# Allegro board reServer J2032_V1.brd (continued)
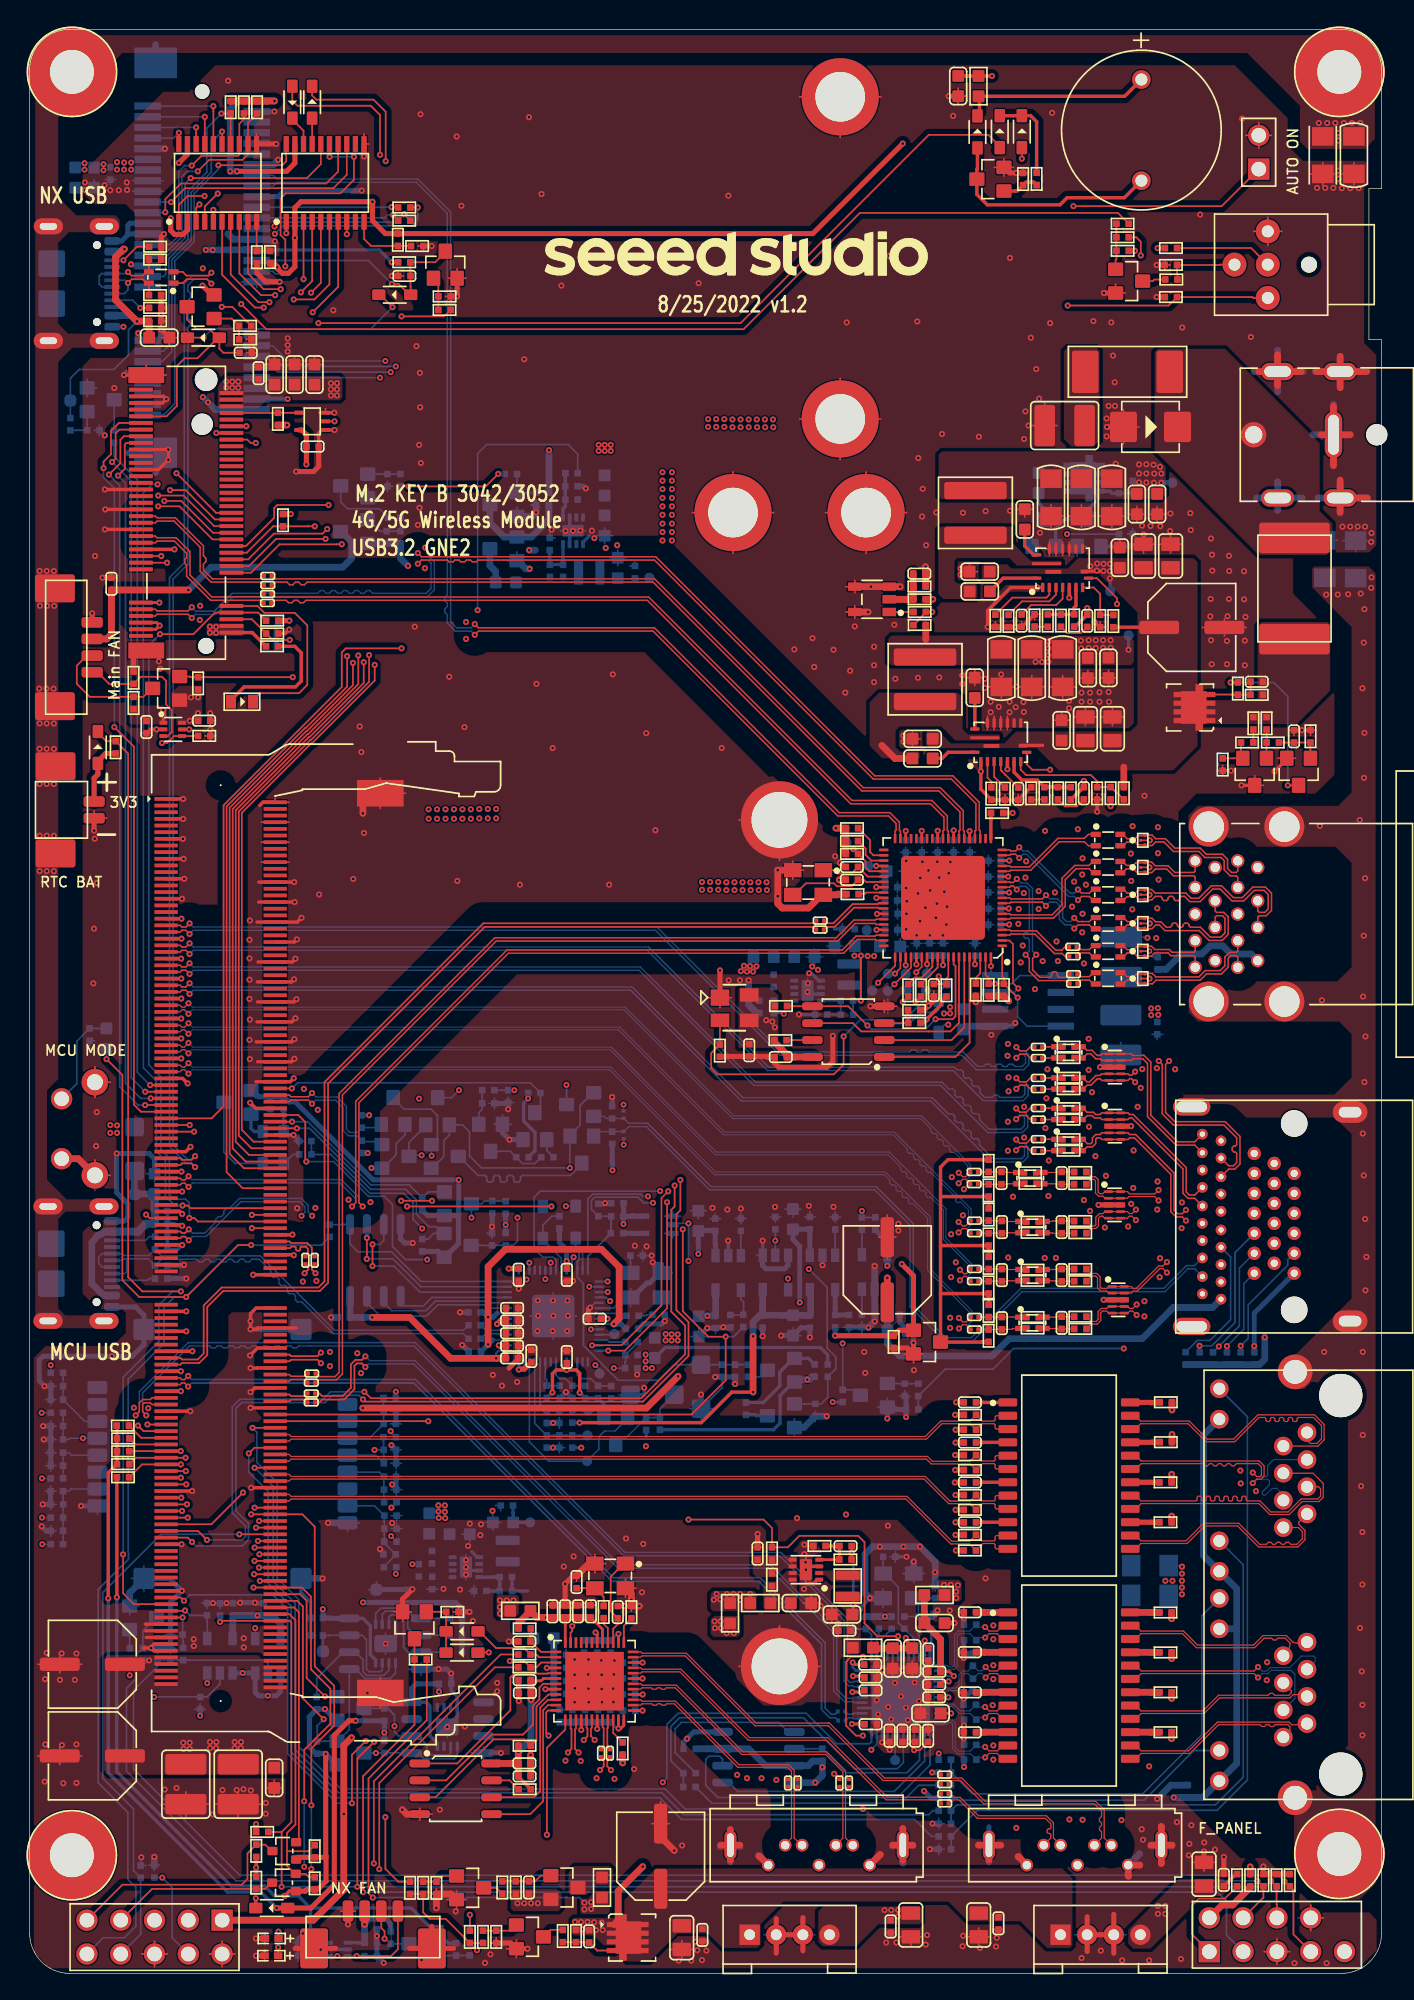
[diagram p0: board, top side]
## Routing (per net, layer and track width the routed paths; a pad name or vN(x,y) marks a point on that pad's centre or on a via; arc(x,y) is an arc through that point) (continued)
TYPEC_USB1_5V: length 22.7
  TOP w0.508: C259.1 8.97,124.13 D50.2 8.09,124.14 v1(8.06,124.11) 6.45,125.72 6.45,128.95 7.04,129.55 v1(7.12,129.55)
  BOTTOM w0.127: R238.2 TP24.1 3.06,119.83 3.73,120.5 6.33,120.5 7.43,121.6 7.43,123.48 v1(8.06,124.11) ; 6.04,124.56 J18.B9
  BOTTOM w0.508: v1(7.12,129.55) 6.93,129.36 J18.B4 ; 6.19,124.57 J18.B9 7.62,124.56 v1(8.06,124.11)
TYPEC_USB2_5V: length 15.8
  BOTTOM w0.508: J17.B9 5.61,50.92 5.51,51.02 5.39,51.1 4.67,51.82 4.67,54.91 5.12,55.46 5.25,55.49 5.39,55.54 5.51,55.63 5.61,55.72 J17.B4 ; C258.1 7.88,58.55 TP23.1 7.86,58.55 7.86,60.26 D4.1
  BOTTOM w0.61: J17.B4 8.14,55.72 8.74,56.32 D49.2 9.42,57.27 R239.1 9.4,58.53 C258.1
UART0_RXD: length 57.8
  TOP w0.127: J5.101 v1(12.35,63.24) ; v1(16.28,116.24) 15.16,116.24 J15.64
  LYR3 w0.127: v1(16.28,116.24) 15.2,115.16 15.2,93.15 12.61,90.56 12.61,63.49 v1(12.35,63.24)
UART0_TXD: length 56.4
  TOP w0.127: J15.62 v1(14.02,115.74) ; J5.99 v1(12.02,63.74)
  LYR3 w0.127: v1(12.02,63.74) 12.38,64.09 12.38,90.89 14.82,93.33 14.82,114.94 v1(14.02,115.74)
UART1_CTS: length 104.8
  TOP w0.127: v1(18.86,126.53) 17.58,126.53 16.41,127.71 U26.9 ; J5.209 v1(11.88,34.24)
  LYR3 w0.127: v1(11.88,34.24) 13.87,34.24 14.21,34.58 14.21,84.84 17.79,88.42 17.79,113.11 18.86,114.19 v1(18.86,126.53)
UART1_RTS: length 104
  TOP w0.127: v1(18.44,126.09) 17.39,126.09 15.76,127.72 U26.8 ; J5.207 v1(11.45,34.74)
  LYR3 w0.127: v1(18.44,126.09) 18.44,114.33 17.43,113.32 17.43,88.58 13.98,85.12 13.98,35.08 13.63,34.74 v1(11.45,34.74)
UART1_RXD: length 103
  TOP w0.127: v1(18.02,125.56) 17.18,125.56 15.11,127.63 U26.7 ; J5.205 v1(11.82,35.24)
  LYR3 w0.127: v1(18.02,125.56) 18.02,114.56 17.08,113.62 17.08,88.75 13.75,85.43 13.75,35.8 13.19,35.24 v1(11.82,35.24)
UART1_TXD: length 102.3
  TOP w0.127: U26.6 14.46,127.62 16.93,125.15 v1(17.59,125.15) ; J5.203 v1(11.4,35.74)
  LYR3 w0.127: v1(17.59,125.15) 17.59,114.83 16.7,113.94 16.7,88.81 13.52,85.63 13.52,36.15 13.11,35.74 v1(11.4,35.74)
UART2_RXD: length 25.1
  TOP w0.127: J5.238 19.52,26.99 19.97,26.53 19.97,11.18 19.34,10.55 19.34,9.2 ; 19.34,9.2 19.36,9.18 20.96,9.18 R254.2 ; 19.34,9.2 19.34,8.08 19.94,7.48 Q36.2 20.73,7.48 20.98,7.23 R255.2
UART2_TXD: length 19.3
  TOP w0.127: Q37.2 20.23,10.06 20.23,27.13 19.87,27.49 J5.236
USB0_AP_N: length 75.5
  TOP w0.127: v1(13.66,126.95) 13.32,127.29 11.8,127.29 11.5,126.99 L22.1 ; v1(12.43,61.4) 12.16,61.12 11.44,61.12 11.33,61.24 J5.109
  BOTTOM w0.127: v1(13.66,126.95) 13.32,127.29 12.35,127.29 11.88,126.82 11.88,126.4 12.1,126.19 12.1,125.89 11.88,125.68 11.88,125.39 12.1,125.17 12.1,124.88 11.88,124.66 11.88,124.37 12.1,124.15 12.1,123.86 11.88,123.65 11.88,123.35 12.1,123.14 12.1,122.85 11.88,122.63 11.88,105.86 10.78,104.76 10.78,62.24 11.86,61.16 12.19,61.16 v1(12.43,61.4)
USB0_AP_P: length 75.6
  TOP w0.127: v1(13.66,127.77) 13.43,127.55 11.78,127.55 11.5,127.84 L22.4 ; v1(12.43,60.58) 12.16,60.85 11.44,60.85 11.33,60.74 J5.111
  BOTTOM w0.127: v1(13.66,127.77) 13.43,127.55 12.24,127.55 11.62,126.93 11.62,105.97 10.51,104.87 10.51,62.13 11.75,60.89 12.12,60.89 v1(12.43,60.58)
USB0_VBUS_DETN: length 50.6
  TOP w0.127: J5.87 v1(9.06,66.74)
  BOTTOM w0.127: R237.1 6.34,113.98 8.08,112.23 8.08,67.71 v1(9.06,66.74)
USB1_AP_N: length 68.6
  TOP w0.109: J5.115 11.31,59.74 11.43,59.61 11.66,59.61 v1(11.94,59.89) ; v1(25.02,57.62) 24.75,57.89 24.75,65.42 35.98,76.64 61.17,76.64 62.21,77.68 63.55,77.68 63.62,77.6 U17.56
  BOTTOM w0.109: v1(11.94,59.89) 12.19,59.64 23.41,59.64 24.75,58.3 24.75,57.89 v1(25.02,57.62)
USB1_AP_P: length 68.6
  TOP w0.109: U17.55 63.62,78 63.55,77.93 62.11,77.93 61.07,76.89 35.87,76.89 24.5,65.52 24.5,57.89 v1(24.22,57.62) ; J5.117 11.31,59.24 11.43,59.36 11.66,59.36 v1(11.94,59.09)
  BOTTOM w0.109: v1(11.94,59.09) 12.24,59.39 23.31,59.39 24.5,58.2 24.5,57.89 v1(24.22,57.62)
USBSS_RX_N: length 73.5
  TOP w0.127: C85.1 59.12,79.09 58.92,78.89 34.09,78.89 22.16,66.96 22.16,52 21.69,51.53 14.43,51.53 13.08,50.18 13.08,46.57 12.63,46.12 11.44,46.12 11.33,46.24 J5.161
USBSS_RX_P: length 73.5
  TOP w0.127: J5.163 11.33,45.74 11.44,45.86 12.74,45.86 13.34,46.46 13.34,50.07 14.54,51.26 21.8,51.26 22.43,51.89 22.43,66.85 34.2,78.62 58.92,78.62 C84.1
USBSS_TX_N: length 2.6
  TOP w0.109: J5.166 19.51,44.99 19.63,44.86 20.71,44.86 C83.1
USBSS_TX_P: length 2.6
  TOP w0.109: C82.1 20.66,44.61 19.63,44.61 19.51,44.49 J5.168
USBSUS: length 1.2
  TOP w0.127: U17.64 v1(67.44,75.82)
  BOTTOM w0.127: TP17.1 67.44,75.14 v1(67.44,75.82)
VERSION_BIT0: length 3.9
  BOTTOM w0.127: U10.31 41.15,44.97 41.44,44.69 42.17,44.69 R281.2 43.16,44.14 43.17,44.13 R282.1
VERSION_BIT1: length 3.5
  BOTTOM w0.127: U10.35 39.55,44.94 39.81,44.69 40.26,44.69 R279.1 41.23,44.15 41.25,44.14 R280.2
VERSION_BIT2: length 2.8
  BOTTOM w0.127: R277.1 39.31,44.15 39.3,44.16 R278.2 38.86,44.6 38.75,44.71 U10.37
WP: length 8.7
  BOTTOM w0.127: TP25.1 22.04,24.93 22.03,24.94 R252.1 22.47,25.38 22.49,25.4 U30.7 24.99,25.4 25.31,25.08 25.31,22.87 25.51,22.66 26.37,22.66 26.5,22.79 U34.7
N5909573: length 75.2
  TOP w0.127: v1(7.02,31.48) 7.02,28.56 7.84,27.74 J5.235 ; v1(11.36,51.24) 8.47,51.24 7.4,52.31 7.4,91.64 R91.1 5.75,92.58 5.12,93.2 D18.2
  BOTTOM w0.127: v1(11.36,51.24) 10.73,51.24 9.71,50.22 9.71,47.48 7.02,44.79 v1(7.02,31.48)
N5919040: length 2.4
  TOP w0.508: C111.2 71.76,24.13 71.77,24.12 T1.4
N5919044: length 2.4
  TOP w0.508: T1.1 71.76,27.12 71.76,27.13 C110.2
N5919048: length 2.4
  TOP w0.508: C112.2 71.76,21.11 71.77,21.12 T1.7
N5919052: length 2.4
  TOP w0.508: T1.10 71.76,18.12 71.76,18.11 C113.2
N5919412: length 2.2
  TOP w0.508: R107.1 84.27,18.12 84.27,18.12 T1.15
N5919414: length 2.2
  TOP w0.508: R104.1 84.27,27.11 84.26,27.12 T1.24
N5919416: length 2.2
  TOP w0.508: R106.1 84.27,21.12 84.26,21.12 T1.18
N5919418: length 2.2
  TOP w0.508: R105.1 84.27,24.11 84.26,24.12 T1.21
N5919465: length 1.9
  TOP w0.508: v1(85.83,23.65) R105.2 ; R104.2 v1(85.83,26.64) ; R107.2 85.83,17.65 v1(85.81,17.64) ; v1(85.83,20.65) R106.2
N5988803: length 22.7
  BOTTOM w0.127: J7.L11 87.49,16.75 83.75,13.01 69.84,13.01 69.69,13.16 D23.2 69.25,13.6 69.24,13.61 R108.2
N5988831: length 33.1
  BOTTOM w0.127: R109.2 D22.2 70.84,13.49 83.65,13.49 88.1,17.94 88.1,26.87 J7.L9
N5989603: length 2.4
  TOP w0.254: T2.1 71.64,42.9 71.63,42.9 C115.2
N5989607: length 2.2
  TOP w0.381: R110.1 84.75,42.91 84.71,42.87 84.27,42.87 84.25,42.9 T2.24
N5989611: length 2.2
  TOP w0.508: R110.2 v1(85.85,42.32) ; v1(85.83,34.36) R113.2 ; v1(85.85,40.49) R111.2 ; v1(85.83,37.5) R112.2
N5989699: length 2.4
  TOP w0.254: T2.4 71.64,39.9 71.63,39.88 C116.2
N5989703: length 2.2
  TOP w0.381: T2.21 84.34,39.9 84.36,39.91 R111.1
N5989799: length 2.4
  TOP w0.254: C117.2 71.63,36.88 71.64,36.9 T2.7
N5989803: length 2.2
  TOP w0.381: T2.18 84.33,36.9 84.33,36.89 R112.1
N5989899: length 2.4
  TOP w0.254: C118.2 71.63,33.89 71.64,33.9 T2.10
N5989903: length 2.2
  TOP w0.381: T2.15 84.33,33.9 84.33,33.89 R113.1
N6117209: length 10.4
  TOP w0.127: R9.2 R13.2 ; R13.2 80.67,89.13 80.66,89.12 R14.1 80.22,89.57 79.77,90.02 74.89,90.02 74.48,90.43 U2.7 ; R13.2 81.86,88.57
N6117317: length 2.1
  TOP w0.127: R15.1 72.27,89.55 71.98,89.84 U2.2
N6117440: length 2.3
  TOP w0.254: U2.16 71.03,95.12 71.03,95.13 C17.1
N6117796: length 2.5
  TOP w0.127: U2.4 72.98,90.4 73.08,90.3 73.08,90.3 73.32,90.06 73.32,90.06 C18.1
N6118049: length 2.3
  TOP w0.127: U2.3 72.48,89.9 R16.1
N6118193: length 3.4
  TOP w0.254: C8.1 68.56,91.28 69.03,91.74 U2.19
N6118398: length 5.5
  TOP w0.254: U2.6 73.98,90.24 74.57,89.65 75.35,89.65 75.73,89.65 R12.1 76.77,89.12 R11.1 77.28,89.12 R10.1
N6118503: length 1
  TOP w0.127: R12.2 75.72,88.2 75.71,88.19 R17.1
N6119013: length 2.4
  TOP w0.127: C11.1 78.7,87.67 77.8,87.67 R11.2
N6125240: length 3.9
  TOP w0.254: U3.19 73.16,104.82 C19.1
N6125534: length 4.1
  TOP w0.254: R20.1 R21.1 78.48,102.1 R19.1 78.5,102.61 78.63,102.75 U3.6
N6125566: length 2.4
  TOP w0.254: C32.1 74.79,107.24 75.46,106.57 U3.16
N6125578: length 4.1
  TOP w0.127: R18.2 80.9,102.06 80.89,102.07 R23.1 80.45,103.64 79.97,104.12 U3.7
N6125690: length 2.4
  TOP w0.127: C25.1 79.02,100.69 78.39,100.69 78.18,100.69 77.98,100.69 R21.2
N6125698: length 4.7
  TOP w0.127: R26.1 74.58,103.08 76.63,103.08 77.13,103.58 U3.3
N6125854: length 5.2
  TOP w0.127: U3.2 76.63,103.58 76.41,103.36 73.85,103.36 R25.1
N6125862: length 4.4
  TOP w0.127: C33.1 75.26,102.8 77.15,102.8 77.63,103.28 U3.4
N6125914: length 1
  TOP w0.127: R20.2 75.98,101.17 75.96,101.18 R27.1
N6156008: length 8.5
  BOTTOM w0.121: C106.1 64.14,30.76 64.14,30.76 X2.1 64.26,30.04 65.28,29.02 65.28,26.35 R103.1 66.47,25.16 U16.9
N6156016: length 2.1
  BOTTOM w0.121: R102.1 66.79,25.45 66.87,25.37 U16.10
N6156020: length 4.2
  BOTTOM w0.121: R103.2 R102.2 66.79,27.84 X2.3 67.29,28.19 67.29,28.2 C107.1
N6158172: length 3.2
  BOTTOM w0.127: R100.1 61.97,25.87 R99.1 63.27,25.46 U16.1
N6158748: length 2.1
  BOTTOM w0.127: R98.1 63.82,25.44 63.67,25.29 U16.2
N6159000: length 2.3
  BOTTOM w0.127: U16.3 64.07,25.17 R97.1
N6162865: length 2.1
  BOTTOM w0.127: TP8.1 65.04,17.17 64.87,17.35 U16.32
N6164438: length 42.5
  BOTTOM w0.127: D25.2 R114.2 69.68,12.66 89.11,12.66 91.19,14.73 91.19,30.71 J7.R11
N6164456: length 55.3
  BOTTOM w0.127: D24.2 R115.2 71.2,12.25 89.24,12.25 91.52,14.53 91.52,41.81 J7.R9
N6173625: length 2
  TOP w0.121: U21.22 43.85,18.07 R136.1
N6174051: length 2.1
  TOP w0.127: U21.37 44.65,25.34 44.66,25.34 44.66,25.67 44.65,25.68 44.65,26.11 R137.1
N6182664: length 2
  TOP w0.127: R135.1 43.14,26.25 43.45,25.93 U21.40
N6182668: length 3
  TOP w0.127: C181.1 41.62,28.94 41.63,28.94 X4.3 43.14,28.27 R135.2
N6182676: length 6.8
  TOP w0.127: U21.39 43.85,25.34 43.85,25.34 43.85,25.67 43.85,25.68 43.85,25.89 44.2,26.24 C180.1 43.67,27.21 43.67,29.8 44.65,30.79 X4.1
N6183319: length 3.2
  TOP w0.127: R134.1 37.66,25.47 37.64,25.46 C175.1 38.43,24.15 U21.1
N6184499: length 31.6
  TOP w0.121: v1(26.27,7.83) 26.27,14.31 34.96,22.99 R132.2 ; 18.74,1.33 LED1.1
  TOP w0.127: LED1.1 v1(18.67,1.96)
  LYR3 w0.127: v1(26.27,7.83) 23.99,7.83 18.67,2.52 v1(18.67,1.96)
N6184581: length 30.8
  TOP w0.121: v1(25.87,8.26) 25.87,14.43 35.39,23.96 R133.2
  TOP w0.127: LED2.1 v1(18.7,3.14)
  LYR3 w0.127: v1(18.7,3.14) 23.82,8.26 v1(25.87,8.26)
N6201361: length 4.1
  TOP w0.127: R141.1 R138.2 41.5,2.34 41.52,2.32 C198.2 42.65,1.72 Q14.4
N6201426: length 2.7
  TOP w0.127: R144.2 R146.1 36.15,3.21 Q16.1
N6201991: length 1.7
  TOP w0.127: Q16.3 39.14,3.27 R141.2
N6202757: length 3.8
  TOP w0.127: Q15.1 38.41,7.34 37.98,6.91 C199.2 R139.2 R143.1
N6202805: length 1.6
  TOP w0.127: Q17.3 35.08,6.43 R143.2
N6202859: length 2.7
  TOP w0.127: R145.2 R147.1 30.99,7.32 Q17.1
N6208778: length 34.1
  TOP w0.254: 68.46,58.33 68.46,54.64 ; 68.46,58.33 68.49,58.36 R161.1 72.07,58.36 R165.1 ; 68.46,58.33 68.46,60.58 69.01,61.14 R159.1 ; 68.46,54.64 68.49,54.68 R167.1 72.07,54.68 R169.1 ; 68.46,54.64 68.46,51.04 ; R182.1 72.07,50.24 R174.1 68.49,51.08 68.46,51.04 ; R184.1 71.56,47.44 71.55,47.43 Q21.3 68.46,51.04
N6213280: length 10.2
  BOTTOM w0.121: 19.22,60.84 D32.2 18.11,60.84 18.11,60.85 D33.2 15.44,60.85 14.6,61.7 Q20.3
  BOTTOM w0.127: L15.1 19.78,61.52 D32.2
N6213304: length 1.7
  BOTTOM w0.254: R164.2 19.08,64.43 19.09,64.42 D32.1
N6213694: length 2.3
  BOTTOM w0.127: R185.1 66.21,44.3 66.21,44.3 R186.1 65.24,44.3 65.22,44.32 Q22.1
N6218833: length 4.4
  BOTTOM w0.127: R197.2 37.96,60.84 37.05,60.84 R195.2 36.13,61.76 Q30.3 34.64,61.7
N6218863: length 1.5
  BOTTOM w0.127: R197.1 38.86,61.83 38.86,61.87 38.86,61.87 Q29.1
N6219015: length 2.7
  BOTTOM w0.127: Q30.1 33.75,64.67 34.01,64.92 R201.1 34.01,65.8 34,65.8 R198.1
N6220768: length 1.9
  BOTTOM w0.127: U24.3 62.55,49.92 62.54,49.92 R191.1
N6232091: length 1.9
  BOTTOM w0.127: R190.2 62.54,55.23 62.55,55.22 U24.4
N6235704: length 16.4
  TOP w0.127: 14.15,122.89 13.52,123.53 12.56,123.53 11.83,124.26 Q31.3 ; 14.15,122.89 D43.1 14.25,122.06 14.55,121.76 C244.2 ; 14.15,122.89 12.61,121.34 11.64,121.34 11.06,120.76 11.06,117.76 10.28,116.99 J15.67
N6241450: length 3.1
  TOP w0.127: Q31.1 15.18,124.32 R214.1 15.73,123.21 15.74,123.2 R215.1
N6252763: length 2.5
  TOP w0.127: Q32.1 30.72,126.99 R231.2 30.72,125.55 30.71,125.55 R230.1
N6265999: length 2.7
  BOTTOM w0.127: R238.1 3.5,115.93 3.5,115.93 3.76,115.93 3.76,115.93 R240.1 4.32,116.37 4.32,116.38 Q33.1
N6266403: length 2.3
  BOTTOM w0.127: Q33.3 6.35,116.38 6.34,116.37 R237.2
N6267031: length 3.2
  TOP w0.127: R244.1 8.06,129.73 v1(7.04,128.71)
  BOTTOM w0.127: J18.B5 v1(7.04,128.71)
N6267038: length 3
  TOP w0.127: v1(8.32,125.13) 8.96,125.13 R243.1
  BOTTOM w0.127: v1(8.32,125.13) 7.74,125.71 J18.A5
N6319905: length 5.6
  BOTTOM w0.121: C74.1 45.15,53.38 45.18,53.35 X1.1 45.05,52.63 44.13,51.71 44.13,50.22 43.89,49.98 U10.20
N6319917: length 2.6
  BOTTOM w0.121: X1.3 47.48,50.16 C73.1 46.36,49.48 46.29,49.41 R59.2
N6319923: length 2.1
  BOTTOM w0.121: U10.21 44.23,49.58 44.41,49.41 R59.1
N6320650: length 2.2
  BOTTOM w0.109: R57.1 34.28,48.06 35.26,48.06 35.34,47.98 U10.46
N6320678: length 2.2
  BOTTOM w0.109: U10.47 35.34,48.38 35.26,48.31 34.3,48.31 R58.1
N6322452: length 9.2
  TOP w0.121: Q10.3 9.17,96.54 8.54,95.91 R72.2
  TOP w0.127: J3.2 4.3,99 3.54,98.25 3.54,96.88 4.51,95.91 R72.2
N6322569: length 11.1
  TOP w0.127: U13.3 10.39,92.96 10.68,93.25 10.68,94.9 10.25,95.33 10.25,97.11 9.94,97.42 8.35,97.42 R74.1 5.98,96.88 5.1,97.75 J3.1
N6324435: length 14.3
  TOP w0.254: B1.1 82.29,141.03 R73.2 71.38,140.95 71.38,139.86 71.23,139.7 D8.2
N6324442: length 16.9
  TOP w0.254: D8.1 71.23,135.6 71.19,135.56 Q11.3 71.19,133.65 71.97,132.87 77.43,132.87 77.96,133.41 82.27,133.41 B1.2
N6324669: length 2.8
  TOP w0.254: R75.2 75.46,134.57 74.89,134.57 R76.1 74.24,133.93 74.09,133.93 74.07,133.91 Q11.1
N6345897: length 9.2
  BOTTOM w0.254: Q4.1 77.11,108.58 77.78,109.25 Q5.3 79.62,110.07 80.28,110.73 Q3.4 81.19,111.35 81.34,111.2 C31.2 82.38,111.2 82.38,111.21 R22.2
N6347539: length 2.4
  BOTTOM w0.254: Q5.1 81.37,107.21 R28.2 81.89,107.23 R29.1
N6357961: length 3.4
  BOTTOM w0.254: U6.5 40.08,110.05 40.26,110.22 R38.2 40.26,111.22 40.25,111.22 C48.1 40.25,112.7 R41.2
N6359693: length 7.3
  TOP w0.127: R80.2 91.8,129.62 SW1.4
N6362034: length 2.1
  BOTTOM w0.254: Q4.3 76.22,110.07 75.83,110.46 R24.2
N6364353: length 8
  TOP w0.127: J4.1 87.39,2.9 87.39,5.14 87.87,5.62 89.82,5.62 R78.2
N6364360: length 4.1
  TOP w0.508: R79.2 91.73,6.46 90.41,5.14 89.62,5.14 J4.2
N6381904: length 3.9
  TOP w0.127: 65.78,103.23 65.97,103.23 65.97,103.23
  TOP w0.508: C3.1 66.4,104.21 R7.1 66.41,104.19 R4.2 65.78,103.23 65.78,103.23 U1.2
N6382160: length 1.8
  TOP w0.127: R274.1 65.98,102.28 65.98,102.28 U1.1
N6382335: length 7.9
  BOTTOM w0.508: Q6.3 34.59,108.99 35.67,107.91 Q7.1 37.71,107.91 39.02,109.23 R46.2
N6383254: length 2.7
  BOTTOM w0.508: R47.2 35.02,105.33 34.59,105.76 Q7.3
N6383325: length 2.9
  BOTTOM w0.127: R48.2 36.62,112.21 36.62,112.21 Q6.1 37.61,111.24 37.62,111.25 R49.1
N6386970: length 95.2
  LYR3 w0.127: v1(9.36,20.76) 9.36,12.38 10.88,10.85 43.42,10.85 47.58,15.02 47.58,33.81 43.47,37.93 43.47,45.75 43.98,46.26 43.98,47.99 43.09,48.88 43.09,49.69 42.06,50.72 v1(42.06,51.59)
  BOTTOM w0.127: U10.16 42.44,51.58 42.43,51.59 v1(42.06,51.59) ; v1(9.36,20.76) 9.74,20.76 9.75,20.77 R56.1 13.33,20.77 14.3,21.74 U11.2
N6389149: length 5.5
  BOTTOM w0.127: U10.9 39.95,53.38 39.95,53.38 39.95,53.74 38.57,55.12 D5.1 38.57,56.22 39.24,56.89 R53.2
N6389895: length 22.4
  BOTTOM w0.127: R68.2 53.46,45.74 53.46,45.74 R259.1 52.48,45.74 52.48,45.74 C77.1 51.35,45.74 51.34,45.73 D7.2 48.42,45.73 47.25,44.56 44.23,44.56 41.61,47.18 41.61,51.83 41.15,52.29 U10.12
  BOTTOM w0.152: D6.1 41.03,54.54 41.29,54.27 41.29,53.64 41.15,53.5 U10.12
N6391636: length 1.6
  BOTTOM w0.254: Q9.3 54.61,41.89 54.55,41.96 R66.2
N6391640: length 7.3
  BOTTOM w0.254: R66.1 55.13,42.89 56.37,44.13 56.37,45.17 57.41,46.21 Q8.1 58.54,46.21 R65.2
N6393951: length 1.7
  BOTTOM w0.127: Q8.3 55.38,45.32 54.88,44.82 R68.1
N6396120: length 1.5
  BOTTOM w0.381: U8.4 45.19,55.59 45.17,55.61 R52.1
N6419730: length 4.6
  TOP w0.127: D16.2 31.29,25.1 31.3,25.11 D17.2 31.3,26.71 31.3,26.72 R86.1 30.86,27.16 30.86,27.17 Q13.1
N6437071: length 3
  BOTTOM w0.127: 53.45,49.46 53.6,49.46 R152.2 ; 53.45,49.46 53.65,49.67 53.65,50.43 53.45,50.64 U22.4 ; 53.45,49.46 R155.1
N6437075: length 1.9
  BOTTOM w0.121: R153.1 53.45,55.3 U22.3
N6440592: length 2.9
  BOTTOM w0.381: U23.4 60.54,50.03 60.54,50.03 R154.2 60.54,49.46 R156.1
N6440604: length 1.9
  BOTTOM w0.127: R157.1 60.54,54.65 60.54,54.65 U23.3
N6489633: length 3.2
  TOP w0.127: U26.10 17.06,129.86 17.08,129.84 R223.2 17.52,129.4 17.53,129.41 R221.2
N6507058: length 5
  TOP w0.121: 27.21,129.78 R222.2
  TOP w0.127: R224.2 28.6,129.77 28.59,129.78 R222.2 ; 27.21,129.78 25.66,129.78 25.13,130.31 U27.10
N6511242: length 10
  TOP w0.254: R217.1 19.92,99.7 20.41,99.22 20.41,97.09 19.97,96.65 16.12,96.65 15.13,95.66 LED3.1
N6514086: length 14.5
  LYR3 w0.121: v1(4.01,40.2) 1.89,38.08 1.89,33.97 0.95,33.03 v1(0.95,32.24)
  BOTTOM w0.121: J14.CA7 v1(4.01,40.2) 3.03,40.2 2.94,40.11 D42.2 2.51,40.55 2.5,40.55 C243.1 2.5,41.56 2.51,41.56 R213.2 ; R209.2 v1(0.95,32.24)
N6514106: length 5.3
  BOTTOM w0.121: J14.CA3 4.14,41.47 D41.2 2.5,43.68 2.5,43.68 C242.1 2.5,44.68 2.51,44.68 R212.2
N6514116: length 4.6
  BOTTOM w0.121: R211.2 2.51,37.71 C241.1 2.51,38.68 2.5,38.68 D40.2 2.94,39.12 3.13,38.93 J14.CA2
N6514126: length 6.6
  BOTTOM w0.121: J14.CA1 3.11,36.39 2.94,36.23 D39.2 2.5,35.79 2.51,35.78 C240.1 2.51,34.8 2.51,34.79 R210.2 2.51,33.81 2.51,33.81 C239.1 2.51,32.81 2.51,32.81 R209.1
N6516315: length 7.7
  BOTTOM w0.121: C253.1 27.51,31.44 26.62,30.56 R232.1 ; J14.CB1 25.92,35.12 D45.2 26.65,33.96 26.65,33.96 C254.1 26.65,32.98 26.64,32.97 R233.2
  BOTTOM w0.127: C253.1 26.98,32 26.98,32.01 26.64,32.35 R233.2
N6516323: length 16.1
  LYR3 w0.121: v1(25.92,39.33) 25.92,31.62 v1(27.52,30.02)
  BOTTOM w0.121: J14.CB7 26,38.93 D48.2 26.62,38.88 26.6,38.9 C257.1 ; C257.1 26.59,39.33 v1(25.92,39.33) ; C257.1 26.6,39.84 26.59,39.85 R236.2 ; R232.2 27.52,30.48 v1(27.52,30.02)
N6516459: length 4.8
  BOTTOM w0.121: R234.2 26.64,35.88 26.63,35.9 C255.1 26.63,36.88 26.62,36.88 D46.2 26.28,37.66 J14.CB2
N6516483: length 5.1
  BOTTOM w0.121: R235.2 26.59,42.71 26.6,42.69 C256.1 26.6,41.82 26.59,41.81 D47.2 25.51,40.2 J14.CB3
N6535585: length 3.3
  BOTTOM w0.127: R241.1 8.98,52.2 8.85,52.07 J17.A5
N6535593: length 3.4
  BOTTOM w0.127: J17.B5 8.71,55.07 8.99,55.35 R242.1
N6627240: length 6.8
  TOP w0.254: D9.2 73.91,139.57 73.91,139.57 D10.2 75.22,139.57 75.68,139.12 R75.1
N6721747: length 3.5
  TOP w0.127: J5.239 v1(11.49,26.74)
  BOTTOM w0.127: v1(11.49,26.74) 11.49,26.36 11.5,26.35 C266.1 11.5,25.01 11.54,24.97 R253.1
N6794653: length 1.9
  TOP w0.121: R127.2 57.32,70.11 57.33,70.12 U18.7
N6803374: length 2.6
  TOP w0.127: R124.2 68.24,75.57 68.24,75.81 68.24,75.81 U17.66
N6803396: length 3.1
  TOP w0.127: R123.2 66.52,74.81 67.04,74.81 67.84,75.61 67.84,75.65 67.84,75.65 67.84,75.99 67.84,75.99 U17.65
N6924505: length 4.5
  TOP w0.254: R257.1 17.03,7.96 v1(17.02,7.95) 17.03,7.94 R256.1 ; D61.2 v1(16.99,5.64)
  LYR3 w0.254: v1(17.02,7.95) 17.02,6.11 16.99,6.08 v1(16.99,5.64)
N7385804: length 7.4
  BOTTOM w0.127: FB13.2 5.13,70.99 5.13,71 D63.2 3.54,70.04 3.54,66.85 SW2.1
N7643748: length 2.8
  TOP w0.127: R267.2 91.04,91.43 U32.2 90.48,91.29 90.47,91.28 R268.1
N7643752: length 1
  TOP w0.127: R267.1 91.96,92.91 91.97,92.92 R266.2
N7643976: length 2.2
  TOP w0.127: U32.1 92.95,92.46 R273.1 92.97,92.91 92.96,92.92 R269.2
N7644022: length 4.2
  TOP w0.127: C1.2 91.76,96.5 91.76,96.5 R270.2 91.25,96.06 91.24,96.07 R271.1 90.37,96.07 90.35,96.08 Q1.4
N7644577: length 12.8
  TOP w0.127: R271.2 90.8,96.98 v1(90.26,96.98) ; Q38.3 v1(94.55,89.26)
  BOTTOM w0.127: v1(94.55,89.26) 94.55,95.94 93.51,96.98 v1(90.26,96.98)
N7644830: length 3.6
  TOP w0.127: Q38.1 96.26,92.47 R272.1 95.83,92.48 95.82,92.48 C281.1 94.58,92.48 94.58,92.47 R273.2
N7679247: length 6.4
  BOTTOM w0.121: Q39.3 44.04,39.79 44.51,40.26 44.84,40.26 R276.1
  BOTTOM w0.127: D66.2 47.37,42.38 R275.2 46.93,41.76 46.91,41.75 R276.1 ; 44.04,39.66 Q39.3
N7686262: length 2.5
  BOTTOM w0.127: R287.2 32.5,1.35 32.49,1.34 R283.2 31.61,1.34 31.61,1.33 Q40.2
N7686266: length 4.2
  TOP w0.127: v1(26.67,2.61) 26.67,3.17 26.42,3.41 J22.2
  BOTTOM w0.127: v1(26.67,2.61) 26.74,2.61 R284.2 27.57,2.23 27.57,2.22 Q40.3
N7686328: length 7.4
  TOP w0.127: J22.1 27.67,1.82 27.16,1.3 v1(24.57,1.3)
  BOTTOM w0.127: U33.3 v1(24.57,1.3) 24.71,1.3 24.72,1.29 R285.1
N7845493: length 1.4
  BOTTOM w0.127: Q41.1 7.51,25.13 7.52,25.12 R292.2
N8046243: length 3.9
  BOTTOM w0.127: R294.1 27.86,108.93 27.87,108.93 C285.2 27.43,108.36 27.42,108.36 R293.2 26.3,108.36 25.44,109.21 Q42.1
N8046291: length 5.3
  BOTTOM w0.127: R294.2 26.27,110.04 23.89,110.04 23.37,110.55 Q43.3
N8046355: length 2.5
  BOTTOM w0.121: Q43.1 26.16,112.64 26.17,112.65 R296.1 27.42,112.65 27.43,112.65 R295.2
